# Altium PCB LimeSDR-X3_1v1.PcbDoc (part 2 of 25)
Units mm, origin at the board's own origin, x right, y up, seen from the top; angles counter-clockwise.
Board outline 232.5 x 111.15 mm, 12 copper layers (Top, L2, L3, L4, L5, L6, L7, L8, L9, L10, L11, Bottom), stack 1.596 mm thick; 2068 components, 1388 nets, 8930 pads, 3646 vias.
Unrouted connection lines stored in the file: 1.
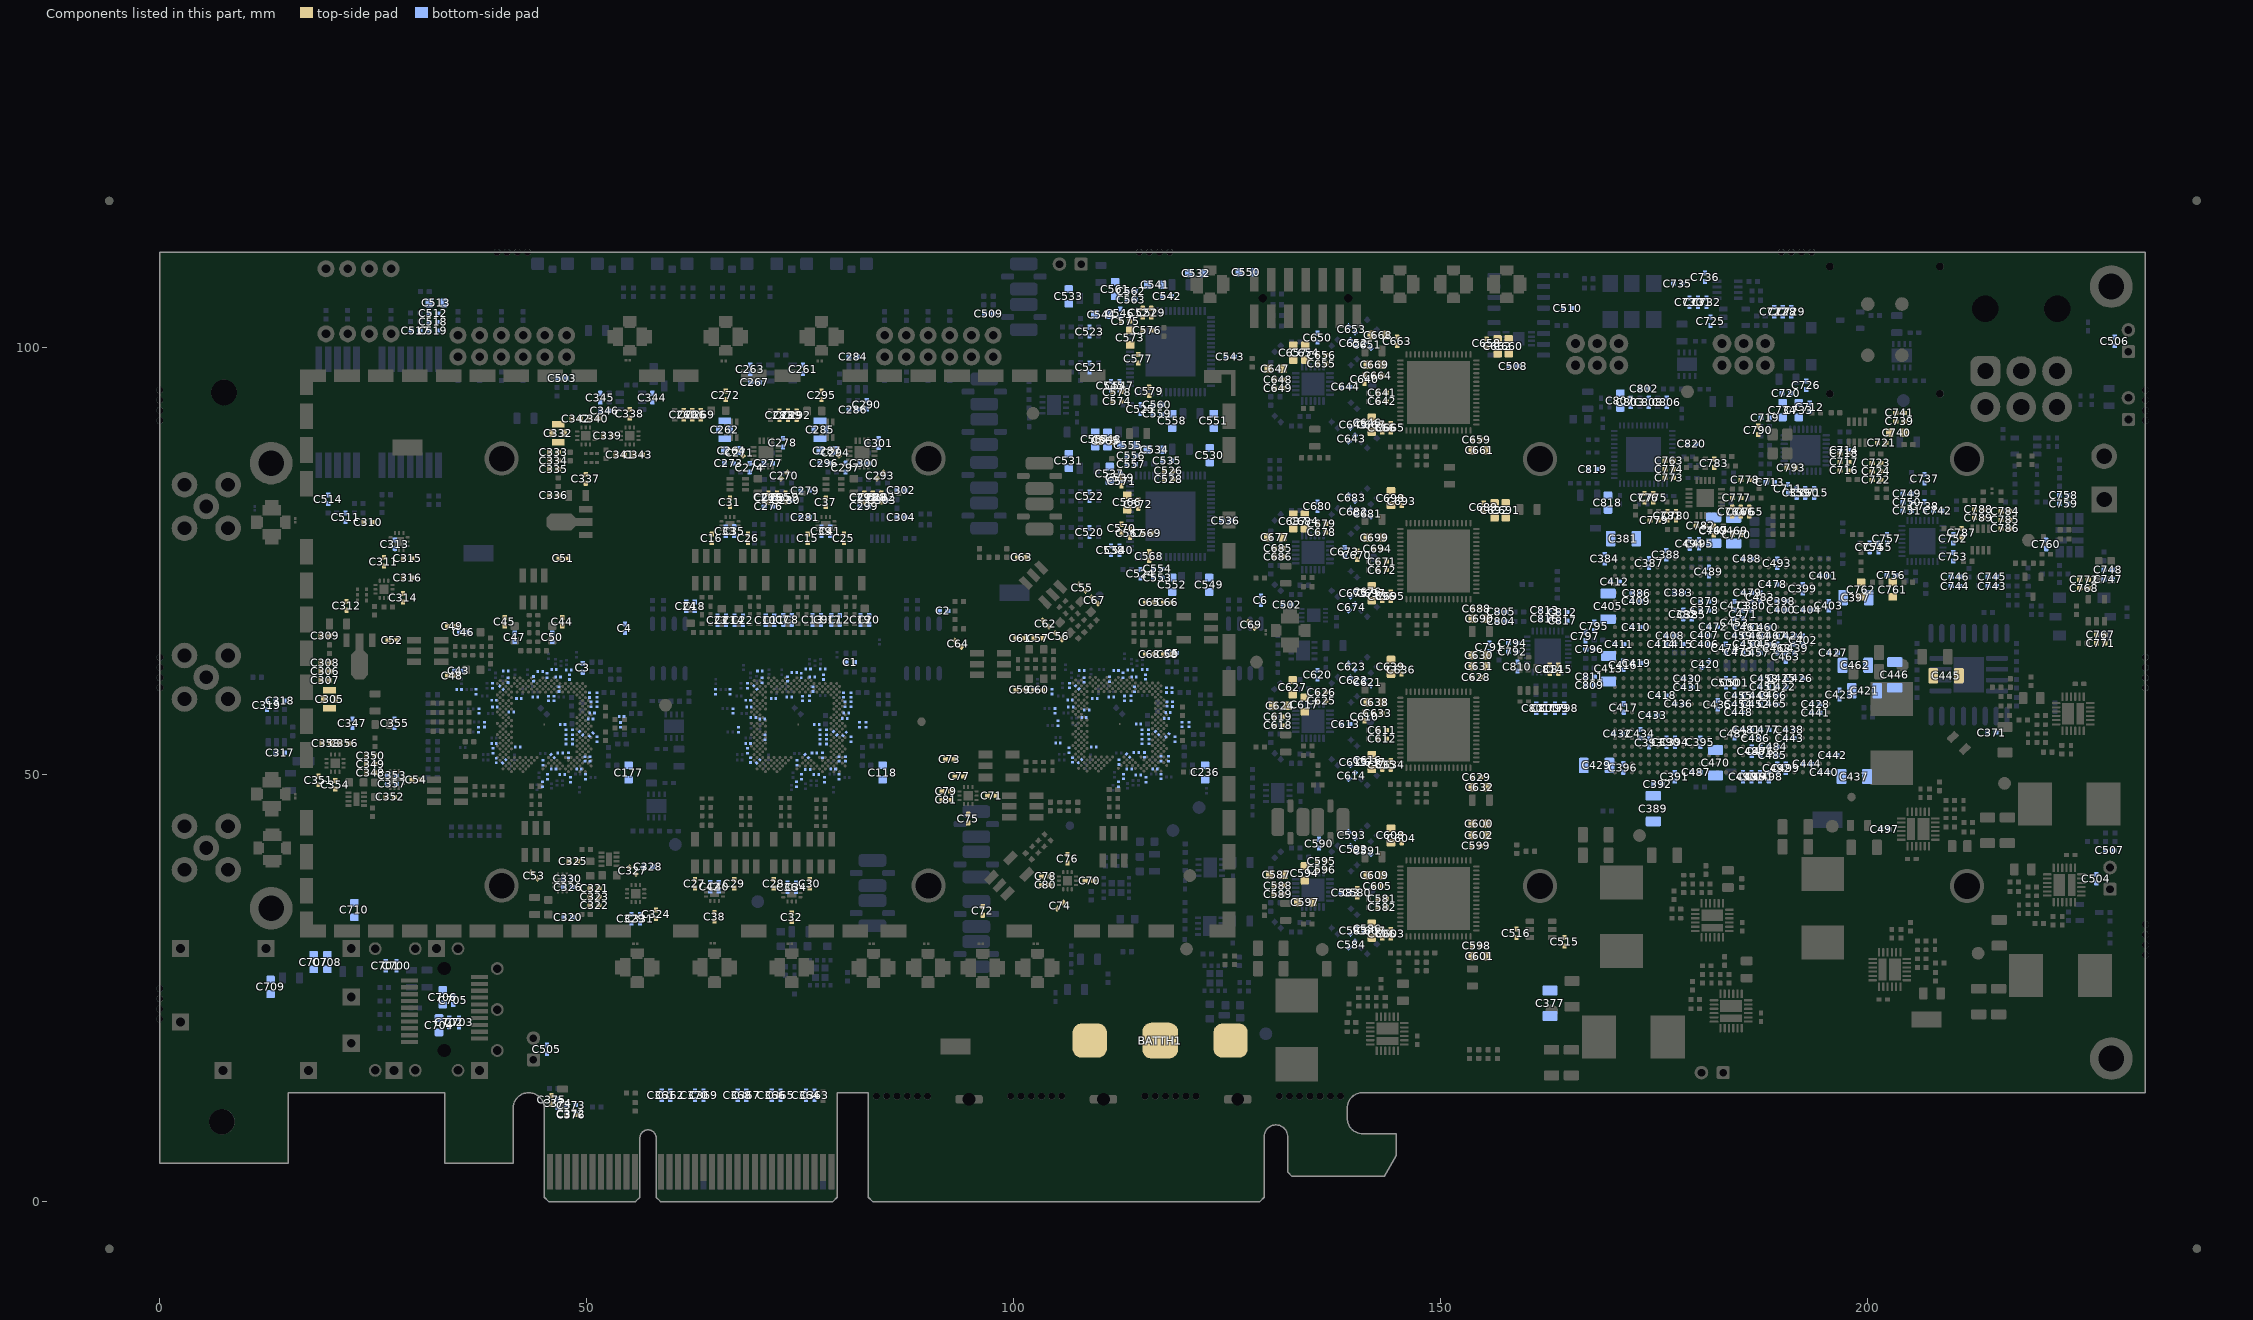
[diagram p12: the components of this part, seen from the top]

## Classes and differential pairs (continued)
differential pair LMS2_BB_ADC2_CLKOUT: +LMS2_BB_ADC2_CLKOUT_P -LMS2_BB_ADC2_CLKOUT_N
differential pair LMS2_BB_ADC2_CLKC: +LMS2_BB_ADC2_CLKC_P -LMS2_BB_ADC2_CLKC_N
differential pair LMS2_BB_ADC1_INB: +LMS2_BB_ADC1_INB_P -LMS2_BB_ADC1_INB_N
differential pair LMS2_BB_ADC1_INA: +LMS2_BB_ADC1_INA_P -LMS2_BB_ADC1_INA_N
differential pair LMS2_BB_ADC1_DB6: +LMS2_BB_ADC1_DB6_P -LMS2_BB_ADC1_DB6_N
differential pair LMS2_BB_ADC1_DB5: +LMS2_BB_ADC1_DB5_P -LMS2_BB_ADC1_DB5_N
differential pair LMS2_BB_ADC1_DB4: +LMS2_BB_ADC1_DB4_P -LMS2_BB_ADC1_DB4_N
differential pair LMS2_BB_ADC1_DB3: +LMS2_BB_ADC1_DB3_P -LMS2_BB_ADC1_DB3_N
differential pair LMS2_BB_ADC1_DB2: +LMS2_BB_ADC1_DB2_P -LMS2_BB_ADC1_DB2_N
differential pair LMS2_BB_ADC1_DB1: +LMS2_BB_ADC1_DB1_P -LMS2_BB_ADC1_DB1_N
differential pair LMS2_BB_ADC1_DB0: +LMS2_BB_ADC1_DB0_P -LMS2_BB_ADC1_DB0_N
differential pair LMS2_BB_ADC1_DA6: +LMS2_BB_ADC1_DA6_P -LMS2_BB_ADC1_DA6_N
differential pair LMS2_BB_ADC1_DA5: +LMS2_BB_ADC1_DA5_P -LMS2_BB_ADC1_DA5_N
differential pair LMS2_BB_ADC1_DA4: +LMS2_BB_ADC1_DA4_P -LMS2_BB_ADC1_DA4_N
differential pair LMS2_BB_ADC1_DA3: +LMS2_BB_ADC1_DA3_P -LMS2_BB_ADC1_DA3_N
differential pair LMS2_BB_ADC1_DA2: +LMS2_BB_ADC1_DA2_P -LMS2_BB_ADC1_DA2_N
differential pair LMS2_BB_ADC1_DA1: +LMS2_BB_ADC1_DA1_P -LMS2_BB_ADC1_DA1_N
differential pair LMS2_BB_ADC1_DA0: +LMS2_BB_ADC1_DA0_P -LMS2_BB_ADC1_DA0_N
differential pair LMS2_BB_ADC1_CLK: +LMS2_BB_ADC1_CLK_P -LMS2_BB_ADC1_CLK_N
differential pair LMS2_BB_ADC1_CLKOUT: +LMS2_BB_ADC1_CLKOUT_P -LMS2_BB_ADC1_CLKOUT_N
differential pair LMS2_BB_ADC1_CLKC: +LMS2_BB_ADC1_CLKC_P -LMS2_BB_ADC1_CLKC_N
differential pair LMS1_TXRF2_2BB: +LMS1_TXRF2_2BB_P -LMS1_TXRF2_2BB_N
differential pair LMS1_TXRF2_2AB: +LMS1_TXRF2_2AB_P -LMS1_TXRF2_2AB_N
differential pair LMS1_RXRF2_LBB: +LMS1_RXRF2_LBB_P -LMS1_RXRF2_LBB_N
differential pair LMS1_RXRF2_LAB: +LMS1_RXRF2_LAB_P -LMS1_RXRF2_LAB_N
differential pair LMS1_RXRF1_LBB: +LMS1_RXRF1_LBB_P -LMS1_RXRF1_LBB_N
differential pair LMS1_RXRF1_LAB: +LMS1_RXRF1_LAB_P -LMS1_RXRF1_LAB_N
differential pair FPGA_LMS2_BB_DAC1_CLK: +FPGA_LMS2_BB_DAC1_CLK_P -FPGA_LMS2_BB_DAC1_CLK_N
differential pair LMS2_TXRF2_1BB: +LMS1_TXRF2_1BB_P -LMS1_TXRF2_1BB_N
differential pair LMS2_TXRF1_1BB: +LMS1_TXRF1_1BB_P -LMS1_TXRF1_1BB_N
differential pair LMS2_TXRF1_1AB: +LMS1_TXRF1_1AB_P -LMS1_TXRF1_1AB_N
differential pair LMS2_RXRF2_HBB: +LMS1_RXRF2_HBB_P -LMS1_RXRF2_HBB_N
differential pair LMS2_RXRF1_HBB: +LMS1_RXRF1_HBB_P -LMS1_RXRF1_HBB_N
differential pair LMS2_RXRF1_HAB: +LMS2_RXRF1_HAB_P -LMS2_RXRF1_HAB_N
differential pair PCIE_REFCLK: +PCIE_REFCLK_P -PCIE_REFCLK_N
differential pair PCIE_HSO3: +PCIE_HSO3_P -PCIE_HSO3_N
differential pair PCIE_HSO2: +PCIE_HSO2_P -PCIE_HSO2_N
differential pair PCIE_HSO1: +PCIE_HSO1_P -PCIE_HSO1_N
differential pair PCIE_HSO0: +PCIE_HSO0_P -PCIE_HSO0_N
differential pair PCIE_HSI3: +PCIE_HSI3_P -PCIE_HSI3_N
differential pair PCIE_HSI3_IC: +PCIE_HSI0_IC_P -PCIE_HSI0_IC_N
differential pair PCIE_HSI2: +PCIE_HSI2_P -PCIE_HSI2_N
differential pair PCIE_HSI2_IC: +PCIE_HSI1_IC_P -PCIE_HSI1_IC_N
differential pair PCIE_HSI1: +PCIE_HSI1_P -PCIE_HSI1_N
differential pair PCIE_HSI1_IC: +PCIE_HSI2_IC_P -PCIE_HSI2_IC_N
differential pair PCIE_HSI0: +PCIE_HSI0_P -PCIE_HSI0_N
differential pair PCIE_HSI0_IC: +PCIE_HSI3_IC_P -PCIE_HSI3_IC_N
differential pair LMS1_TXRF2_1BB: +LMS2_TXRF2_1BB_P -LMS2_TXRF2_1BB_N
differential pair LMS1_TXRF2_1AB: +LMS1_TXRF2_1AB_P -LMS1_TXRF2_1AB_N
differential pair LMS1_TXRF1_2BB: +LMS1_TXRF1_2BB_P -LMS1_TXRF1_2BB_N
differential pair LMS1_TXRF1_2AB: +LMS1_TXRF1_2AB_P -LMS1_TXRF1_2AB_N
differential pair LMS1_RXRF2_HBB: +LMS2_RXRF2_HBB_P -LMS2_RXRF2_HBB_N
differential pair LMS1_RXRF1_HBB: +LMS2_RXRF1_HBB_P -LMS2_RXRF1_HBB_N
differential pair LMS1_RXRF1_HAB: +LMS1_RXRF1_HAB_P -LMS1_RXRF1_HAB_N
differential pair CLK100_FPGA: +CLK100_FPGA_P -CLK100_FPGA_N

## Components (designator, comment, footprint, x,y, rotation, side; value= is the part's Value field where it differs from the comment)
BATTH1 "LR44R Battery Holder" LR44R_BATTERY_HOLDER 117.125,18.85 r180 top locked
C1 "10pF, 25V" CAP0402#1 80.846,63.163 r0 bottom
C2 "1uF, 10V" CAP0402#1 91.746,69.162 r0 bottom
C3 "10pF, 25V" CAP0402#1 49.5,62.492 r90 bottom
C4 "1uF, 10V" CAP0402#1 54.441,67.132 r270 bottom
C5 "10pF, 25V" CAP0402#1 118.536,64.23 r0 bottom
C6 "1uF, 10V" CAP0402#1 128.922,70.414 r90 bottom
C7 "100nF, 16V" CAP0402#1 72.984,68.111 r90 bottom
C8 "100pF, 50V" CAP0402#1 73.984,68.111 r90 bottom
C9 "100nF, 16V" CAP0402#1 77.416,68.111 r90 bottom
C10 "100pF, 50V" CAP0402#1 70.92,68.083 r90 bottom
C11 "100nF, 16V" CAP0402#1 71.92,68.083 r90 bottom
C12 "100pF, 50V" CAP0402#1 79.61,68.111 r90 bottom
C13 "100pF, 50V" CAP0402#1 76.416,68.111 r90 bottom
C14 "100nF, 16V" CAP0402#1 67.265,68.083 r90 bottom
C15 "100pF, 50V" CAP0402#2 75.853,77.66 r270 top
C16 "100pF, 50V" CAP0402#2 64.627,77.66 r270 top
C17 "100nF, 16V" CAP0402#1 78.61,68.111 r90 bottom
C18 "100pF, 50V" CAP0402#1 62.625,69.733 r270 bottom
C19 "100pF, 50V" CAP0402#1 82.042,68.111 r90 bottom
C20 "100nF, 16V" CAP0402#1 83.042,68.111 r90 bottom
C21 "100nF, 16V" CAP0402#1 66.29,68.083 r90 bottom
C22 "100pF, 50V" CAP0402#1 68.265,68.083 r90 bottom
C23 "100pF, 50V" CAP0402#1 65.29,68.083 r90 bottom
C24 "100nF, 16V" CAP0402#1 61.625,69.733 r270 bottom
C25 "100nF, 16V" CAP0402#2 80.093,77.66 r270 top
C26 "100nF, 16V" CAP0402#2 68.867,77.66 r270 top
C27 "100pF, 50V" CAP0402#2 62.645,37.22 r90 top
C28 "100pF, 50V" CAP0402#2 71.875,37.22 r90 top
C29 "100pF, 50V" CAP0402#2 67.235,37.22 r90 top
C30 "100pF, 50V" CAP0402#2 76.1,37.219 r90 top
C31 "68pF, 25V" CAP0402#2 66.747,81.88 r90 top
C32 "100pF, 50V" CAP0402#2 73.988,33.295 r90 top
C33 "10nF, 50V" CAP0402#1 66.247,78.498 r90 bottom
C34 "10nF, 50V" CAP0402#1 74.488,36.807 r270 bottom
C35 "100pF, 50V" CAP0402#1 67.247,78.518 r270 bottom
C36 "100pF, 50V" CAP0402#1 73.488,36.812 r90 bottom
C37 "68pF, 25V" CAP0402#2 77.973,81.88 r90 top
C38 "100pF, 50V" CAP0402#2 64.94,33.37 r90 top
C39 "10nF, 50V" CAP0402#1 77.473,78.498 r90 bottom
C40 "10nF, 50V" CAP0402#1 65.44,36.862 r270 bottom
C41 "100pF, 50V" CAP0402#1 78.473,78.498 r270 bottom
C42 "100pF, 50V" CAP0402#1 64.44,36.862 r90 bottom
C43 "100nF, 16V" CAP0402#1 34.991,62.182 r0 bottom
C44 "100pF, 50V" CAP0402#2 47.107,67.9 r270 top
C45 "100pF, 50V" CAP0402#2 40.375,67.9 r270 top
C46 "100nF, 16V" CAP0402#1 35.585,66.684 r0 bottom
C47 "100nF, 16V" CAP0402#1 41.539,66.076 r90 bottom
C48 "100pF, 50V" CAP0402#2 34.2,61.6 r0 top
C49 "100pF, 50V" CAP0402#2 34.2,67.363 r0 top
C50 "100nF, 16V" CAP0402#1 45.938,66.076 r90 bottom
C51 "100pF, 50V" CAP0402#2 47.241,75.307 r180 top
C52 "100pF, 50V" CAP0402#2 27.204,65.752 r0 top
C53 "100pF, 50V" CAP0402#2 43.841,38.157 r135 top
C54 "100pF, 50V" CAP0402#2 29.991,49.407 r0 top
C55 "100nF, 16V" CAP0402#2 107.998,71.877 r315 top
C56 "100pF, 50V" CAP0402#2 105.225,66.175 r135 top
C57 "100nF, 16V" CAP0402#2 102.852,65.978 r180 top
C58 "100pF, 50V" CAP0402#2 117.996,64.085 r180 top
C59 "100pF, 50V" CAP0402#2 100.75,59.912 r0 top
C60 "100nF, 16V" CAP0402#2 102.852,59.908 r180 top
C61 "100pF, 50V" CAP0402#2 100.75,65.975 r0 top
C62 "100nF, 16V" CAP0402#2 103.739,67.676 r315 top
C63 "100pF, 50V" CAP0402#2 100.927,75.45 r0 top
C64 "100pF, 50V" CAP0402#2 93.462,65.317 r315 top
C65 "100nF, 16V" CAP0402#2 115.896,70.155 r0 top
C66 "100pF, 50V" CAP0402#2 117.996,70.155 r180 top
C67 "100pF, 50V" CAP0402#2 109.475,70.4 r135 top
C68 "100nF, 16V" CAP0402#2 115.896,64.085 r0 top
C69 "100nF, 16V" CAP0402#2 127.796,67.532 r135 top
C70 "100pF, 50V" CAP0402#2 108.85,37.575 r0 top
C71 "100pF, 50V" CAP0402#2 97.415,47.537 r0 top
C72 "470pF, 50V" CAP0402#2 96.35,34.029 r90 top
C73 "470pF, 50V" CAP0402#2 92.5,51.8 r0 top
C74 "100pF, 50V" CAP0402#2 105.421,34.646 r225 top
C75 "100pF, 50V" CAP0402#2 94.64,44.854 r270 top
C76 "100pF, 50V" CAP0402#2 106.275,40.15 r90 top
C77 "100pF, 50V" CAP0402#2 93.615,49.787 r180 top
C78 "10nF, 50V" CAP0402#2 103.725,38.075 r180 top
C79 "10nF, 50V" CAP0402#2 92.09,48.037 r180 top
C80 "100pF, 50V" CAP0402#2 103.725,37.075 r0 top
C81 "100pF, 50V" CAP0402#2 92.09,47.037 r0 top
C82 "1uF, 6.3V" CAP0201 80.356,57.194 r0 bottom value="1uF, 20%"
C83 "1nF, 10%" CAP0201 80.181,56.544 r0 bottom
C84 "1uF, 6.3V" CAP0201 75.093,61.614 r90 bottom value="1uF, 20%"
C85 "1uF, 6.3V" CAP0201 77.721,61.413 r90 bottom value="1uF, 20%"
C86 "1uF, 6.3V" CAP0201 76.447,60.01 r90 bottom value="1uF, 20%"
C87 "1uF, 6.3V" CAP0201 69.461,56.663 r0 bottom value="1uF, 20%"
C88 "1uF, 6.3V" CAP0201 75.731,52.169 r135 bottom value="1uF, 20%"
C89 "1uF, 6.3V" CAP0201 77.296,54.963 r90 bottom value="1uF, 20%"
C90 "1nF, 10%" CAP0201 80.225,58.241 r90 bottom
C91 "1uF, 6.3V" CAP0201 80.9,58.246 r90 bottom value="1uF, 20%"
C92 "1nF, 10%" CAP0201 78.071,53.863 r90 bottom
C93 "1uF, 6.3V" CAP0201 77.296,53.863 r90 bottom value="1uF, 20%"
C94 "1nF, 10%" CAP0201 78.071,54.963 r90 bottom
C95 "1uF, 6.3V" CAP0201 69.721,60.198 r135 bottom value="1uF, 20%"
C96 "1uF, 6.3V" CAP0201 70.527,56.485 r0 bottom value="1uF, 20%"
C97 "1uF, 6.3V" CAP0201 70.498,61.049 r90 bottom value="1uF, 20%"
C98 "1uF, 6.3V" CAP0201 75.897,62.355 r0 bottom value="1uF, 20%"
C99 "1uF, 6.3V" CAP0201 75.245,58.908 r270 bottom value="1uF, 20%"
C100 "1uF, 6.3V" CAP0201 76.047,58.935 r90 bottom value="1uF, 20%"
C101 "1uF, 6.3V" CAP0201 77.581,52.274 r90 bottom value="1uF, 20%"
C102 "1uF, 6.3V" CAP0201 77.796,49.388 r270 bottom value="1uF, 20%"
C103 "1uF, 6.3V" CAP0201 76.857,50.025 r0 bottom value="1uF, 20%"
C104 "1uF, 6.3V" CAP0201 75.847,50.613 r0 bottom value="1uF, 20%"
C105 "1uF, 6.3V" CAP0201 75.122,49.76 r270 bottom value="1uF, 20%"
C106 "1uF, 6.3V" CAP0201 70.047,51.556 r225 bottom value="1uF, 20%"
C107 "1uF, 6.3V" CAP0201 70.822,54.385 r270 bottom value="1uF, 20%"
C108 "1uF, 6.3V" CAP0201 68.869,58.707 r180 bottom value="1uF, 20%"
C109 "1uF, 6.3V" CAP0201 71.836,58.91 r180 bottom value="1uF, 20%"
C110 "1uF, 6.3V" CAP0201 70.247,62.16 r180 bottom value="1uF, 20%"
C111 "1uF, 6.3V" CAP0201 67.103,57.44 r270 bottom value="1uF, 20%"
C112 "1uF, 6.3V" CAP0201 76.372,61.425 r180 bottom value="1uF, 20%"
C113 "1uF, 6.3V" CAP0201 69.178,51.699 r270 bottom value="1uF, 20%"
C114 "1uF, 6.3V" CAP0201 68.774,52.784 r90 bottom value="1uF, 20%"
C115 "1uF, 6.3V" CAP0201 67.718,55.254 r90 bottom value="1uF, 20%"
C116 "1uF, 6.3V" CAP0201 74.553,48.857 r270 bottom value="1uF, 20%"
C117 "1uF, 6.3V" CAP0201 77.621,62.356 r0 bottom value="1uF, 20%"
C118 "10uF, 6.3V" CAP0603#1 84.625,50.244 r90 bottom
C119 "1nF, 10%" CAP0201 79.071,54.838 r315 bottom
C120 "1uF, 6.3V" CAP0201 76.896,55.888 r180 bottom value="1uF, 20%"
C121 "1nF, 10%" CAP0201 80.031,59.319 r270 bottom
C122 "1uF, 6.3V" CAP0201 80.906,59.319 r270 bottom value="1uF, 20%"
C123 "1nF, 10%" CAP0201 81.9,55.846 r90 bottom
C124 "1uF, 6.3V" CAP0201 82.675,55.846 r90 bottom value="1uF, 20%"
C125 "1nF, 10%" CAP0201 80.17,54.756 r225 bottom
C126 "1uF, 6.3V" CAP0201 80.898,54.132 r270 bottom value="1uF, 20%"
C127 "1nF, 10%" CAP0201 79.531,51.833 r270 bottom
C128 "1uF, 6.3V" CAP0201 80.301,51.833 r270 bottom value="1uF, 20%"
C129 "1uF, 6.3V" CAP0201 68.796,60.413 r90 bottom value="1uF, 20%"
C130 "1uF, 6.3V" CAP0201 74.271,61.942 r0 bottom value="1uF, 20%"
C131 "1uF, 6.3V" CAP0201 73.469,61.187 r90 bottom value="1uF, 20%"
C132 "1uF, 6.3V" CAP0201 73.697,59.085 r180 bottom value="1uF, 20%"
C133 "1uF, 6.3V" CAP0201 76.631,52.544 r0 bottom value="1uF, 20%"
C134 "1uF, 6.3V" CAP0201 74.603,51.393 r90 bottom value="1uF, 20%"
C135 "1uF, 6.3V" CAP0201 68.872,53.635 r180 bottom value="1uF, 20%"
C136 "1uF, 6.3V" CAP0201 68.971,57.901 r180 bottom value="1uF, 20%"
C137 "1uF, 6.3V" CAP0201 78.826,50.643 r0 bottom value="1uF, 20%"
C138 "1uF, 6.3V" CAP0201 66.765,59.712 r270 bottom value="1uF, 20%"
C139 "1uF, 6.3V" CAP0201 79.541,49.753 r270 bottom value="1uF, 20%"
C140 "1uF, 6.3V" CAP0201 65.056,59.701 r270 bottom value="1uF, 20%"
C141 "1uF, 6.3V" CAP0201 47.546,54.963 r90 bottom value="1uF, 20%"
C142 "1nF, 10%" CAP0201 48.321,54.963 r90 bottom
C143 "1uF, 6.3V" CAP0201 45.343,61.614 r90 bottom value="1uF, 20%"
C144 "1uF, 6.3V" CAP0201 46.697,60.01 r90 bottom value="1uF, 20%"
C145 "1uF, 6.3V" CAP0201 47.971,61.413 r90 bottom value="1uF, 20%"
C146 "1uF, 6.3V" CAP0201 37.991,55.857 r90 bottom value="1uF, 20%"
C147 "1uF, 6.3V" CAP0201 45.981,52.169 r135 bottom value="1uF, 20%"
C148 "1uF, 6.3V" CAP0201 51.156,58.244 r90 bottom value="1uF, 20%"
C149 "1nF, 10%" CAP0201 50.491,58.232 r90 bottom
C150 "1uF, 6.3V" CAP0201 50.606,57.194 r0 bottom value="1uF, 20%"
C151 "1nF, 10%" CAP0201 50.427,56.515 r0 bottom
C152 "1uF, 6.3V" CAP0201 47.546,53.863 r90 bottom value="1uF, 20%"
C153 "1nF, 10%" CAP0201 48.321,53.863 r90 bottom
C154 "1uF, 6.3V" CAP0201 39.996,60.173 r135 bottom value="1uF, 20%"
C155 "1uF, 6.3V" CAP0201 41.143,57.307 r0 bottom value="1uF, 20%"
C156 "1uF, 6.3V" CAP0201 40.748,61.065 r90 bottom value="1uF, 20%"
C157 "1uF, 6.3V" CAP0201 46.147,62.31 r0 bottom value="1uF, 20%"
C158 "1uF, 6.3V" CAP0201 45.495,58.908 r270 bottom value="1uF, 20%"
C159 "1uF, 6.3V" CAP0201 46.147,58.91 r90 bottom value="1uF, 20%"
C160 "1uF, 6.3V" CAP0201 47.831,52.274 r90 bottom value="1uF, 20%"
C161 "1uF, 6.3V" CAP0201 48.046,49.388 r270 bottom value="1uF, 20%"
C162 "1uF, 6.3V" CAP0201 47.107,50.025 r0 bottom value="1uF, 20%"
C163 "1uF, 6.3V" CAP0201 46.097,50.638 r0 bottom value="1uF, 20%"
C164 "1uF, 6.3V" CAP0201 45.372,49.76 r270 bottom value="1uF, 20%"
C165 "1uF, 6.3V" CAP0201 40.297,51.556 r225 bottom value="1uF, 20%"
C166 "1uF, 6.3V" CAP0201 41.896,53.225 r180 bottom value="1uF, 20%"
C167 "1uF, 6.3V" CAP0201 39.119,58.707 r180 bottom value="1uF, 20%"
C168 "1uF, 6.3V" CAP0201 42.027,58.885 r180 bottom value="1uF, 20%"
C169 "1uF, 6.3V" CAP0201 40.497,62.16 r180 bottom value="1uF, 20%"
C170 "1uF, 6.3V" CAP0201 37.372,57.44 r270 bottom value="1uF, 20%"
C171 "1uF, 6.3V" CAP0201 46.622,61.41 r180 bottom value="1uF, 20%"
C172 "1uF, 6.3V" CAP0201 39.378,51.649 r270 bottom value="1uF, 20%"
C173 "1uF, 6.3V" CAP0201 39.024,52.784 r90 bottom value="1uF, 20%"
C174 "1uF, 6.3V" CAP0201 37.318,55.254 r90 bottom value="1uF, 20%"
C175 "1uF, 6.3V" CAP0201 44.803,48.857 r270 bottom value="1uF, 20%"
C176 "1uF, 6.3V" CAP0201 47.871,62.263 r0 bottom value="1uF, 20%"
C177 "10uF, 6.3V" CAP0603#1 54.875,50.244 r90 bottom
C178 "1nF, 10%" CAP0201 49.321,54.838 r315 bottom
C179 "1uF, 6.3V" CAP0201 47.146,55.888 r180 bottom value="1uF, 20%"
C180 "1nF, 10%" CAP0201 50.316,59.312 r270 bottom
C181 "1uF, 6.3V" CAP0201 51.156,59.319 r270 bottom value="1uF, 20%"
C182 "1nF, 10%" CAP0201 53.931,55.819 r90 bottom
C183 "1uF, 6.3V" CAP0201 54.056,56.794 r180 bottom value="1uF, 20%"
C184 "1nF, 10%" CAP0201 50.498,54.678 r225 bottom
C185 "1uF, 6.3V" CAP0201 51.162,54.132 r270 bottom value="1uF, 20%"
C186 "1nF, 10%" CAP0201 49.781,51.833 r270 bottom
C187 "1uF, 6.3V" CAP0201 50.364,51.833 r270 bottom value="1uF, 20%"
C188 "1uF, 6.3V" CAP0201 38.953,60.413 r90 bottom value="1uF, 20%"
C189 "1uF, 6.3V" CAP0201 44.521,62.082 r0 bottom value="1uF, 20%"
C190 "1uF, 6.3V" CAP0201 43.719,61.207 r90 bottom value="1uF, 20%"
C191 "1uF, 6.3V" CAP0201 43.947,59.085 r180 bottom value="1uF, 20%"
C192 "1uF, 6.3V" CAP0201 46.881,52.544 r0 bottom value="1uF, 20%"
C193 "1uF, 6.3V" CAP0201 44.853,51.393 r90 bottom value="1uF, 20%"
C194 "1uF, 6.3V" CAP0201 39.122,53.635 r180 bottom value="1uF, 20%"
C195 "1uF, 6.3V" CAP0201 39.221,57.913 r180 bottom value="1uF, 20%"
C196 "1uF, 6.3V" CAP0201 49.071,50.643 r0 bottom value="1uF, 20%"
C197 "1uF, 6.3V" CAP0201 37.015,59.705 r270 bottom value="1uF, 20%"
C198 "1uF, 6.3V" CAP0201 49.816,49.753 r270 bottom value="1uF, 20%"
C199 "1uF, 6.3V" CAP0201 35.026,59.981 r180 bottom value="1uF, 20%"
C200 "1uF, 6.3V" CAP0201 118.579,58.255 r90 bottom value="1uF, 20%"
C201 "1nF, 10%" CAP0201 115.761,54.98 r90 bottom
C202 "1uF, 6.3V" CAP0201 115.411,61.43 r90 bottom value="1uF, 20%"
C203 "1uF, 6.3V" CAP0201 112.783,61.63 r90 bottom value="1uF, 20%"
C204 "1uF, 6.3V" CAP0201 114.087,60.001 r90 bottom value="1uF, 20%"
C205 "1uF, 6.3V" CAP0201 108.53,57.575 r180 bottom value="1uF, 20%"
C206 "1uF, 6.3V" CAP0201 113.372,52.222 r135 bottom value="1uF, 20%"
C207 "1uF, 6.3V" CAP0201 118.046,57.285 r0 bottom value="1uF, 20%"
C208 "1nF, 10%" CAP0201 117.907,58.26 r90 bottom
C209 "1uF, 6.3V" CAP0201 115.011,53.88 r90 bottom value="1uF, 20%"
C210 "1nF, 10%" CAP0201 117.871,56.56 r0 bottom
C211 "1uF, 6.3V" CAP0201 114.986,54.98 r90 bottom value="1uF, 20%"
C212 "1nF, 10%" CAP0201 115.802,53.88 r90 bottom
C213 "1uF, 6.3V" CAP0201 107.411,60.214 r135 bottom value="1uF, 20%"
C214 "1uF, 6.3V" CAP0201 108.2,56.675 r0 bottom value="1uF, 20%"
C215 "1uF, 6.3V" CAP0201 108.188,61.081 r90 bottom value="1uF, 20%"
C216 "1uF, 6.3V" CAP0201 113.612,62.225 r0 bottom value="1uF, 20%"
C217 "1uF, 6.3V" CAP0201 112.935,58.925 r270 bottom value="1uF, 20%"
C218 "1uF, 6.3V" CAP0201 113.733,58.94 r90 bottom value="1uF, 20%"
C219 "1uF, 6.3V" CAP0201 115.283,52.306 r90 bottom value="1uF, 20%"
C220 "1uF, 6.3V" CAP0201 115.486,49.405 r270 bottom value="1uF, 20%"
C221 "1uF, 6.3V" CAP0201 114.547,49.968 r0 bottom value="1uF, 20%"
C222 "1uF, 6.3V" CAP0201 113.512,50.655 r0 bottom value="1uF, 20%"
C223 "1uF, 6.3V" CAP0201 112.812,49.776 r270 bottom value="1uF, 20%"
C224 "1uF, 6.3V" CAP0201 107.737,51.573 r225 bottom value="1uF, 20%"
C225 "1uF, 6.3V" CAP0201 109.336,53.241 r180 bottom value="1uF, 20%"
C226 "1uF, 6.3V" CAP0201 106.559,58.723 r180 bottom value="1uF, 20%"
C227 "1uF, 6.3V" CAP0201 109.451,58.901 r180 bottom value="1uF, 20%"
C228 "1uF, 6.3V" CAP0201 107.937,62.176 r180 bottom value="1uF, 20%"
C229 "1uF, 6.3V" CAP0201 104.802,57.461 r270 bottom value="1uF, 20%"
C230 "1uF, 6.3V" CAP0201 114.062,61.442 r180 bottom value="1uF, 20%"
C231 "1uF, 6.3V" CAP0201 106.868,51.715 r270 bottom value="1uF, 20%"
C232 "1uF, 6.3V" CAP0201 106.464,52.85 r90 bottom value="1uF, 20%"
C233 "1uF, 6.3V" CAP0201 105.158,56.021 r90 bottom value="1uF, 20%"
C234 "1uF, 6.3V" CAP0201 112.243,48.874 r270 bottom value="1uF, 20%"
C235 "1uF, 6.3V" CAP0201 115.311,62.297 r0 bottom value="1uF, 20%"
C236 "10uF, 6.3V" CAP0603#1 122.379,50.26 r90 bottom
C237 "1nF, 10%" CAP0201 116.761,54.855 r315 bottom
C238 "1uF, 6.3V" CAP0201 114.586,55.905 r180 bottom value="1uF, 20%"
C239 "1nF, 10%" CAP0201 117.856,59.895 r90 bottom
C240 "1uF, 6.3V" CAP0201 118.521,59.895 r90 bottom value="1uF, 20%"
C241 "1nF, 10%" CAP0201 119.679,55.86 r90 bottom
C242 "1uF, 6.3V" CAP0201 120.479,55.86 r90 bottom value="1uF, 20%"
C243 "1nF, 10%" CAP0201 117.967,54.591 r225 bottom
C244 "1uF, 6.3V" CAP0201 118.852,54.149 r270 bottom value="1uF, 20%"
C245 "1nF, 10%" CAP0201 117.221,51.85 r270 bottom
C246 "1uF, 6.3V" CAP0201 118.096,51.85 r270 bottom value="1uF, 20%"
C247 "1uF, 6.3V" CAP0201 106.488,60.43 r90 bottom value="1uF, 20%"
C248 "1uF, 6.3V" CAP0201 111.961,62.183 r0 bottom value="1uF, 20%"
C249 "1uF, 6.3V" CAP0201 111.16,61.178 r90 bottom value="1uF, 20%"
C250 "1uF, 6.3V" CAP0201 111.387,59.101 r180 bottom value="1uF, 20%"
C251 "1uF, 6.3V" CAP0201 114.321,52.56 r0 bottom value="1uF, 20%"
C252 "1uF, 6.3V" CAP0201 112.293,51.46 r90 bottom value="1uF, 20%"
C253 "1uF, 6.3V" CAP0201 105.162,53.676 r180 bottom value="1uF, 20%"
C254 "1uF, 6.3V" CAP0201 106.661,57.917 r180 bottom value="1uF, 20%"
C255 "1uF, 6.3V" CAP0201 116.511,50.66 r0 bottom value="1uF, 20%"
C256 "1uF, 6.3V" CAP0201 104.455,59.721 r270 bottom value="1uF, 20%"
C257 "1uF, 6.3V" CAP0201 117.231,49.77 r270 bottom value="1uF, 20%"
C258 "1uF, 6.3V" CAP0201 102.466,59.997 r180 bottom value="1uF, 20%"
C259 "1uF, 10V" CAP0402#2 73.247,82.448 r90 top
C260 "1uF, 10V" CAP0402#2 61.325,92.125 r90 top
C261 "1uF, 10V" CAP0402#1 75.3,97.475 r90 bottom
C262 "470nF, 16V" CAP0805_FEEDTHROUGH 66.125,90.4 r270 bottom
C263 "100nF, 16V" CAP0402#1 69.125,97.475 r90 bottom
C264 "10uF, 16V" CAP0603#1 66.975,87.95 r180 bottom
C265 "1nF, 50V" CAP0402#2 72.247,82.448 r90 top
C266 "1nF, 50V" CAP0402#2 62.325,92.125 r90 top
C267 "2700pF, 50V" CAP0402#1 69.675,95.925 r180 bottom
C268 "100pF, 50V" CAP0402#2 71.247,82.448 r90 top
C269 "100pF, 50V" CAP0402#2 63.325,92.125 r90 top
C270 "68pF, 25V" CAP0402#2 73.097,85.002 r45 top
C271 "68pF, 25V" CAP0402#2 67.897,87.702 r135 top
C272 "68pF, 25V" CAP0402#2 66.247,94.405 r90 top
C273 "10nF, 50V" CAP0402#1 66.625,86.474 r180 bottom
C274 "1nF, 50V" CAP0402#1 69.05,85.95 r90 bottom
C275 "1uF, 10V" CAP0402#1 71.259,82.404 r0 bottom
C276 "100nF, 16V" CAP0402#1 71.259,81.404 r180 bottom
C277 "2.2pF, 50V" CAP0402#1 71.225,86.45 r180 bottom
C278 "10nF, 50V" CAP0402#1 72.95,88.85 r90 bottom
C279 "100pF, 50V" CAP0402#1 75.569,83.264 r0 bottom
C280 "100nF, 16V" CAP0402#1 73.359,82.104 r0 bottom
C281 "1nF, 50V" CAP0402#1 75.57,80.144 r0 bottom
C282 "1uF, 10V" CAP0402#2 84.475,82.45 r90 top
C283 "1uF, 10V" CAP0402#2 72.55,92.075 r90 top
C284 "1uF, 10V" CAP0402#1 81.2,98.925 r180 bottom
C285 "470nF, 16V" CAP0805_FEEDTHROUGH 77.3,90.4 r270 bottom
C286 "100nF, 16V" CAP0402#1 81.2,92.75 r180 bottom
C287 "10uF, 16V" CAP0603#1 78.15,87.95 r180 bottom
C288 "1nF, 50V" CAP0402#2 83.475,82.45 r90 top
C289 "1nF, 50V" CAP0402#2 73.55,92.075 r90 top
C290 "2700pF, 50V" CAP0402#1 82.75,93.3 r270 bottom
C291 "100pF, 50V" CAP0402#2 82.475,82.45 r90 top